# KiCad board shek-rounded.kicad_pcb (continued)
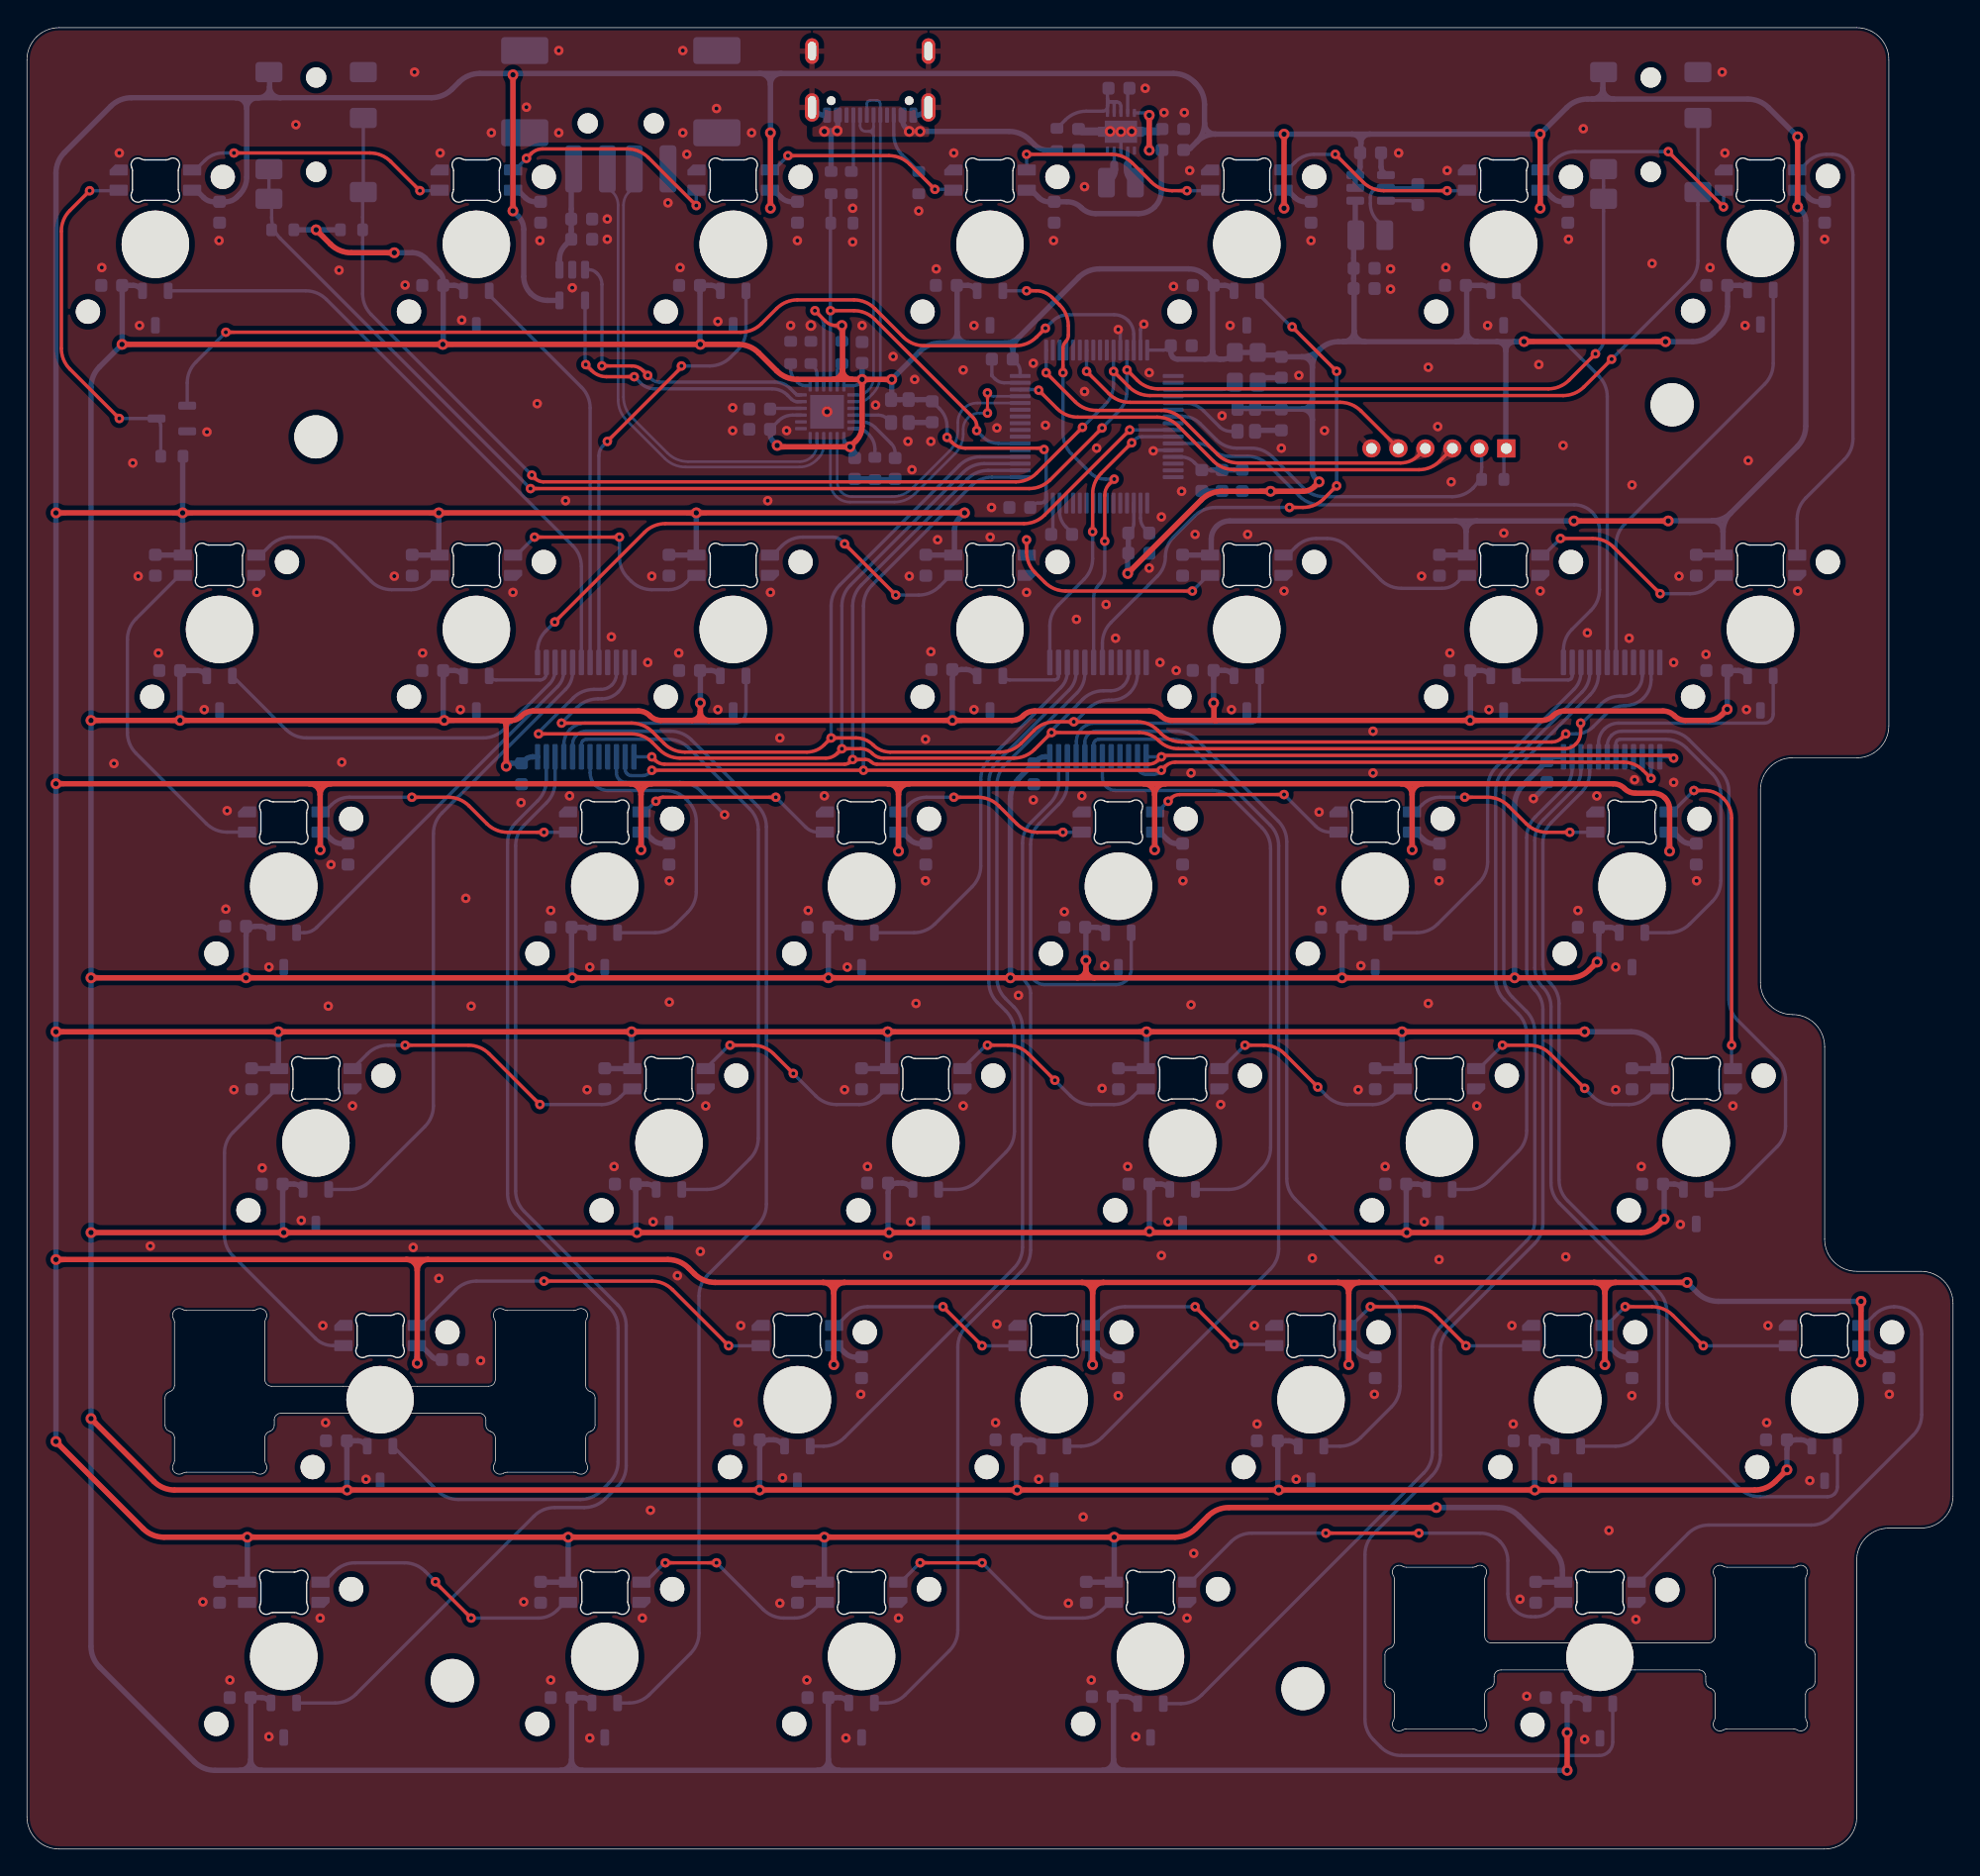
[diagram p0: board, top side]
## Routing (per net, layer and track width the routed paths; a pad name or vN(x,y) marks a point on that pad's centre or on a via; arc(x,y) is an arc through that point) (continued)
5V: length 1187.9
  Top w0.4: 45.55,78.24 v2(45.55,74.14) ; 45.55,78.24 arc(45.78,78.8) 46.35,79.04 ; 45.55,78.24 arc(45.32,78.8) 44.75,79.04 ; v2(121.85,74.04) 121.85,77.14 arc(121.76,77.6) 121.5,77.99 arc(121.11,78.25) 120.66,78.34 119.34,78.34 arc(118.89,78.43) 118.5,78.69 arc(118.11,78.95) 117.66,79.04 103.55,79.04 ; 44.75,79.04 22.55,79.04 ; 44.75,79.04 46.35,79.04 ; 22.55,79.04 20.95,79.04 ; 22.55,79.04 arc(21.98,78.8) 21.75,78.24 ; 59.05,42.04 60.65,42.04 ; 59.05,42.04 51.05,42.04 arc(50.22,42.2) 49.51,42.68 49.09,43.1 arc(48.38,43.57) 47.55,43.74 29.75,43.74 ; 59.05,42.04 arc(59.62,41.8) 59.85,41.24 ; 60.65,42.04 78.25,42.04 ; 60.65,42.04 arc(60.08,41.8) 59.85,41.24 ; 98.05,41.24 v2(98.05,35.94) ; 98.05,41.24 arc(98.28,41.8) 98.85,42.04 ; 98.05,41.24 arc(97.82,41.8) 97.25,42.04 ; 78.25,42.04 79.85,42.04 ; 78.25,42.04 arc(78.82,41.8) 79.05,41.24 ; 63.85,79.04 65.45,79.04 ; 63.85,79.04 46.35,79.04 ; 63.85,79.04 arc(64.42,78.8) 64.65,78.24 ; 65.45,79.04 82.85,79.04 ; 65.45,79.04 arc(64.88,78.8) 64.65,78.24 ; 117.05,41.24 v2(117.05,35.94) ; 117.05,41.24 arc(116.82,41.8) 116.25,42.04 ; 117.05,41.24 arc(117.28,41.8) 117.85,42.04 ; v2(104.55,25.34) 89.15,25.34 arc(88.32,25.17) 87.61,24.7 86.69,23.78 arc(85.98,23.3) 85.15,23.14 v2(80.65,23.14) v2(59.15,23.14) v2(40.15,23.14) v2(16.35,23.14) 10.15,23.14 arc(9.32,23.3) 8.61,23.78 v2(2.15,30.24) ; 101.95,79.04 103.55,79.04 ; 101.95,79.04 84.45,79.04 ; 101.95,79.04 arc(102.52,78.8) 102.75,78.24 ; 103.55,79.04 arc(102.98,78.8) 102.75,78.24 ; 82.85,79.04 84.45,79.04 ; 82.85,79.04 arc(83.42,78.8) 83.65,78.24 ; v2(115.55,60.64) v2(102,60.64) v2(83.05,60.64) v2(63.85,60.64) v2(44.85,60.64) v2(18.65,60.64) v2(2.15,60.64) ; v2(112.25,127.24) v2(112.25,121.74) ; 84.45,79.04 arc(83.88,78.8) 83.65,78.24 ; 20.95,79.04 2.05,79.04 ; 20.95,79.04 arc(21.52,78.8) 21.75,78.24 ; v2(55.15,127.34) v2(55.15,121.74) ; v2(36.05,131.64) v2(36.05,121.54) ; v2(131.35,121.84) v2(131.35,127.04) ; v2(114.75,98.54) v2(121.75,98.54) ; v2(93.25,127.24) v2(93.25,121.74) ; 29.75,43.74 28.15,43.74 ; 29.75,43.74 arc(29.18,43.5) 28.95,42.94 ; 28.15,43.74 2.35,43.74 ; 28.15,43.74 arc(28.72,43.5) 28.95,42.94 ; 79.05,41.24 v2(79.05,35.94) ; 79.05,41.24 arc(79.28,41.8) 79.85,42.04 ; v2(69.55,99.14) v2(49.65,99.14) v2(30.55,99.14) v2(11.55,99.14) v2(2.15,99.14) ; 79.85,42.04 97.25,42.04 ; 98.85,42.04 116.25,42.04 ; 98.85,42.04 97.25,42.04 ; 116.25,42.04 117.85,42.04 ; v2(136.05,40.64) v2(136.05,36.14) ; 117.85,42.04 v2(123.15,42.04) ; 28.95,42.94 v2(28.95,36.04) ; v2(64.65,74.04) 64.65,78.24 ; 102.75,78.24 v2(102.75,74.14) ; 83.65,78.24 v2(83.65,74.14) ; v2(83.25,128.64) v2(83.25,126.04) ; 59.85,41.24 v2(59.85,35.94) ; v2(21.75,74.14) 21.75,78.24
  Bottom w0.25: 82.15,128.81 82.95,128.81 arc(83.07,128.79) 83.16,128.73 v2(83.25,128.64)
  Bottom w0.4: C58.2 123.41,74.59 arc(123.03,74.67) 122.7,74.89 122.26,75.33 arc(122.12,75.42) 121.96,75.45 arc(121.84,75.4) 121.79,75.28 121.79,74.14 arc(121.8,74.1) 121.82,74.07 v2(121.85,74.04) ; v2(59.85,35.94) 59.86,35.95 arc(59.87,35.96) 59.88,35.98 59.88,37.22 arc(59.91,37.31) 60.01,37.35 arc(60.13,37.33) 60.23,37.26 60.67,36.82 arc(61.03,36.58) 61.45,36.49 C87.2 ; v2(55.15,121.74) 55.13,121.76 arc(55.12,121.78) 55.11,121.8 55.11,122.93 arc(55.16,123.03) 55.26,123.08 arc(55.4,123.05) 55.52,122.97 55.96,122.53 arc(56.3,122.3) 56.71,122.22 C31.2 ; 16.32,23.11 v2(16.35,23.14) 16.35,19.84 arc(16.35,19.83) 16.34,19.81 arc(16.32,19.8) 16.31,19.8 14.33,19.8 arc(14.31,19.8) 14.3,19.81 C98.2 ; 98.95,126.57 98.95,125.94 arc(98.94,125.91) 98.92,125.88 arc(98.9,125.84) 98.89,125.81 98.89,124.82 arc(98.85,124.58) 98.71,124.38 arc(98.58,124.18) 98.53,123.94 U4.2 ; 98.95,126.57 arc(99.15,127.04) 99.62,127.24 ; 98.95,126.57 arc(98.75,127.04) 98.28,127.24 ; J3.2 17.98,131.81 arc(17.99,131.78) 18,131.75 18,130.74 ; v2(83.65,74.14) 83.67,74.16 arc(83.68,74.18) 83.69,74.2 83.69,75.28 arc(83.74,75.4) 83.86,75.45 arc(84.02,75.42) 84.16,75.33 84.6,74.89 arc(84.93,74.67) 85.31,74.59 C60.2 ; 117.7,129.84 127.65,129.84 arc(128.48,129.67) 129.19,129.2 v2(131.35,127.04) ; 117.7,129.84 116.1,129.84 ; 117.7,129.84 arc(117.13,130.07) 116.9,130.64 ; C83.2 137.65,36.49 arc(137.23,36.58) 136.87,36.82 136.43,37.26 arc(136.33,37.33) 136.21,37.35 arc(136.11,37.31) 136.07,37.22 136.07,36.18 arc(136.07,36.16) 136.06,36.15 v2(136.05,36.14) ; J5.2 116.93,131.81 arc(116.91,131.78) 116.9,131.75 116.9,130.64 ; v2(112.25,121.74) 112.26,121.74 arc(112.26,121.75) 112.26,121.76 112.26,122.9 arc(112.31,123.02) 112.44,123.08 arc(112.6,123.04) 112.74,122.95 113.17,122.51 arc(113.5,122.3) 113.88,122.22 C28.2 ; C82.2 30.53,36.31 arc(30.29,36.36) 30.1,36.49 29.35,37.24 arc(29.23,37.32) 29.08,37.35 arc(28.97,37.3) 28.92,37.19 28.92,36.09 arc(28.92,36.07) 28.93,36.05 v2(28.95,36.04) ; v2(102.75,74.14) 102.74,74.14 arc(102.74,74.15) 102.74,74.16 102.74,75.3 arc(102.78,75.41) 102.89,75.45 arc(103.03,75.42) 103.14,75.34 103.58,74.91 arc(103.93,74.67) 104.33,74.59 C59.2 ; C41.2 123.84,96.01 arc(123.85,96) 123.87,96 125.83,96 arc(125.84,96.01) 125.84,96.03 arc(125.82,96.05) 125.81,96.09 125.81,97.75 ; C11.1 84.18,126.04 arc(84.16,126.01) 84.15,125.97 84.15,123.04 arc(84.02,122.39) 83.65,121.84 arc(83.1,121.47) 82.44,121.34 79.27,121.34 arc(78.7,121.45) 78.21,121.78 arc(77.72,122.1) 77.15,122.22 75.78,122.22 arc(75.4,122.3) 75.07,122.51 74.64,122.95 arc(74.5,123.04) 74.34,123.08 LED3.1 ; C63.2 23.35,74.59 arc(22.93,74.68) 22.57,74.92 22.13,75.36 arc(22.03,75.43) 21.91,75.45 arc(21.81,75.41) 21.77,75.32 21.77,74.18 arc(21.77,74.16) 21.76,74.15 v2(21.75,74.14) ; 44.9,60.59 v2(44.85,60.64) 44.85,57.99 arc(44.86,57.95) 44.88,57.93 arc(44.88,57.91) 44.86,57.9 42.91,57.9 arc(42.89,57.9) 42.88,57.91 C74.2 ; 54.35,131.74 33.6,131.74 arc(32.76,131.57) 32.06,131.1 31.53,130.58 arc(30.83,130.1) 29.99,129.94 18.8,129.94 ; 54.35,131.74 55.95,131.74 ; 54.35,131.74 arc(54.92,131.5) 55.15,130.94 ; C85.2 99.55,36.49 arc(99.13,36.58) 98.77,36.82 98.33,37.26 arc(98.23,37.33) 98.11,37.35 arc(98.01,37.31) 97.98,37.22 97.98,36.07 arc(97.98,36.02) 98.01,35.98 v2(98.05,35.94) ; v2(45.55,74.14) 45.57,74.16 arc(45.58,74.18) 45.59,74.2 45.59,75.33 arc(45.62,75.41) 45.71,75.45 arc(45.83,75.43) 45.93,75.36 46.36,74.92 arc(46.73,74.68) 47.16,74.59 C62.2 ; v2(11.55,99.14) 11.56,99.13 ; v2(11.55,99.14) 11.55,96.02 arc(11.55,96.01) 11.56,96.01 arc(11.56,96) 11.55,96 9.57,96 arc(9.55,96) 9.54,96.01 C47.2 ; v2(11.55,99.14) 11.55,103.12 arc(11.57,103.21) 11.61,103.28 11.68,103.34 ; 59.19,23.1 v2(59.15,23.14) 59.15,19.86 arc(59.15,19.84) 59.17,19.82 arc(59.17,19.81) 59.16,19.8 57.19,19.8 arc(57.18,19.8) 57.16,19.81 C96.2 ; 49.66,99.13 v2(49.65,99.14) 49.65,96.02 arc(49.65,96.01) 49.66,96.01 arc(49.66,96) 49.65,96 47.67,96 arc(47.65,96) 47.64,96.01 C45.2 ; 15.5,129.94 17.1,129.94 ; 15.5,129.94 7.75,129.94 arc(6.92,129.77) 6.21,129.3 2.79,125.88 arc(2.32,125.17) 2.15,124.34 v2(2.15,30.24) ; 15.5,129.94 arc(16.07,129.7) 16.3,129.14 ; 17.1,129.94 17.2,129.94 ; 17.1,129.94 arc(16.53,129.7) 16.3,129.14 ; C42.2 104.79,96.01 arc(104.8,96) 104.82,96 106.77,96 arc(106.79,96.01) 106.78,96.03 arc(106.76,96.07) 106.75,96.11 106.75,97.74 ; C44.2 66.69,96.01 arc(66.7,96) 66.72,96 68.65,96 arc(68.71,96.01) 68.76,96.04 arc(68.79,96.09) 68.8,96.15 68.8,97.86 arc(68.9,98.35) 69.18,98.76 v2(69.55,99.14) ; C71.2 100.03,57.91 arc(100.04,57.9) 100.06,57.9 102.01,57.9 arc(102.03,57.91) 102.02,57.93 arc(102.01,57.95) 102,57.99 v2(102,60.64) ; 98.28,127.24 99.62,127.24 ; 98.28,127.24 v2(93.25,127.24) 88.15,127.24 ; 99.62,127.24 v2(112.25,127.24) 114.21,129.2 arc(114.92,129.67) 115.75,129.84 116.1,129.84 ; 125.81,97.75 arc(125.58,98.32) 125.01,98.55 ; 125.81,97.75 arc(125.96,98.49) 126.38,99.12 ; C73.2 61.93,57.91 arc(61.94,57.9) 61.96,57.9 63.88,57.9 arc(63.91,57.92) 63.9,57.95 arc(63.86,58.01) 63.85,58.07 v2(63.85,60.64) ; v2(93.25,121.74) 93.23,121.76 arc(93.22,121.78) 93.21,121.8 93.21,122.93 arc(93.26,123.03) 93.36,123.08 arc(93.5,123.05) 93.62,122.97 94.06,122.53 arc(94.4,122.3) 94.81,122.22 C29.2 ; v2(64.65,74.04) 64.64,74.04 arc(64.64,74.05) 64.64,74.06 64.64,75.3 arc(64.68,75.41) 64.79,75.45 arc(64.93,75.42) 65.04,75.34 65.48,74.91 arc(65.83,74.67) 66.23,74.59 C61.2 ; C95.2 78.59,19.81 arc(78.61,19.8) 78.62,19.8 80.6,19.8 arc(80.62,19.8) 80.63,19.82 arc(80.65,19.83) 80.65,19.85 v2(80.65,23.14) 80.62,23.11 ; C43.2 85.74,96.01 arc(85.75,96) 85.77,96 87.7,96 arc(87.76,96.01) 87.81,96.04 arc(87.84,96.09) 87.85,96.15 87.85,97.17 arc(87.95,97.69) 88.25,98.14 arc(88.69,98.43) 89.22,98.54 105.95,98.54 ; 18.8,129.94 17.2,129.94 ; 18.8,129.94 arc(18.23,130.17) 18,130.74 ; 17.2,129.94 arc(17.77,130.17) 18,130.74 ; C94.2 111.93,19.81 arc(111.95,19.8) 111.96,19.8 113.92,19.8 arc(113.93,19.81) 113.93,19.83 arc(113.91,19.86) 113.9,19.9 113.9,20.67 arc(113.75,21.43) 113.32,22.06 110.69,24.7 arc(109.98,25.17) 109.15,25.34 v2(104.55,25.34) ; 55.95,131.74 85.05,131.74 arc(85.88,131.57) 86.59,131.1 86.71,130.98 arc(87.18,130.27) 87.35,129.44 87.35,128.04 ; 55.95,131.74 arc(55.38,131.5) 55.15,130.94 ; v2(115.55,60.64) 119,60.64 arc(119.79,60.48) 120.45,60.04 120.52,59.96 arc(120.91,59.38) 121.05,58.69 121.05,57.99 arc(121.06,57.95) 121.07,57.93 arc(121.08,57.91) 121.06,57.9 119.11,57.9 arc(119.09,57.9) 119.08,57.91 C70.2 ; 55.15,130.94 v2(55.15,127.34) ; 105.95,98.54 107.55,98.54 ; 105.95,98.54 arc(106.52,98.3) 106.75,97.74 ; 107.55,98.54 v2(114.75,98.54) ; 107.55,98.54 arc(106.98,98.3) 106.75,97.74 ; v2(117.05,35.94) 117.04,35.95 arc(117.03,35.96) 117.02,35.98 117.02,37.19 arc(117.07,37.3) 117.18,37.35 arc(117.33,37.32) 117.45,37.24 117.89,36.8 arc(118.23,36.57) 118.63,36.49 C84.2 ; 40.14,23.12 v2(40.15,23.14) 40.15,19.82 arc(40.15,19.81) 40.14,19.81 arc(40.14,19.8) 40.13,19.8 38.14,19.8 arc(38.13,19.8) 38.11,19.81 C97.2 ; C27.2 132.91,122.22 arc(132.5,122.3) 132.16,122.53 131.72,122.97 arc(131.6,123.05) 131.46,123.08 arc(131.36,123.03) 131.31,122.93 131.31,121.9 arc(131.32,121.88) 131.33,121.86 v2(131.35,121.84) 131.65,121.54 arc(131.87,121.21) 131.95,120.81 131.95,105.59 arc(131.78,104.76) 131.31,104.05 126.38,99.12 ; 83,60.59 v2(83.05,60.64) 83.05,57.99 arc(83.04,57.95) 83.02,57.93 arc(83,57.91) 82.96,57.9 81.01,57.9 arc(80.99,57.9) 80.98,57.91 C72.2 ; U2.5 38.62,114.9 arc(37.94,115.03) 37.37,115.42 arc(36.98,115.99) 36.85,116.67 36.85,120.17 arc(36.75,120.69) 36.45,121.14 v2(36.05,121.54) 36.06,121.54 arc(36.06,121.55) 36.06,121.56 36.06,122.9 arc(36.11,123.02) 36.24,123.08 arc(36.4,123.04) 36.54,122.95 36.97,122.51 arc(37.3,122.3) 37.68,122.22 C32.2 ; v2(121.75,98.54) 121.76,98.54 arc(121.76,98.55) 121.77,98.55 125.01,98.55 ; v2(123.15,42.04) 123.91,41.28 arc(124.62,40.8) 125.45,40.64 v2(136.05,40.64) ; C46.2 28.59,96.01 arc(28.6,96) 28.62,96 30.57,96 arc(30.59,96.01) 30.58,96.03 arc(30.56,96.07) 30.55,96.11 v2(30.55,99.14) 30.61,99.08 ; 87.35,128.04 arc(87.2,127.3) 86.78,126.67 ; 87.35,128.04 arc(87.58,127.47) 88.15,127.24 ; LED6.1 12.4,123.08 arc(12.54,123.05) 12.66,122.97 13.1,122.53 arc(13.45,122.3) 13.85,122.22 14.76,122.22 arc(15.2,122.31) 15.56,122.55 15.77,122.75 arc(16.16,123.35) 16.3,124.04 16.3,129.14 ; 88.15,127.24 arc(87.41,127.09) 86.78,126.67 ; 125.01,98.55 arc(125.75,98.7) 126.38,99.12 ; v2(79.05,35.94) 78.99,36 arc(78.94,36.07) 78.93,36.15 78.93,37.19 arc(78.97,37.3) 79.08,37.35 arc(79.23,37.32) 79.35,37.24 79.79,36.8 arc(80.13,36.57) 80.53,36.49 C86.2 ; 116.9,130.64 arc(116.67,130.07) 116.1,129.84 ; 86.78,126.67 86.31,126.2 arc(86.16,126.1) 85.99,126.06 C10.1 ; C75.2 16.68,57.91 arc(16.7,57.9) 16.71,57.9 18.67,57.9 arc(18.68,57.91) 18.68,57.93 arc(18.66,57.96) 18.65,58 v2(18.65,60.64) 18.71,60.58
  vias: v2(2.15,79.04) v2(2.15,43.74)
